# Altium PCB UHF-EM.PcbDoc
Units mm, origin at the board's own origin, x right, y up, seen from the top; angles counter-clockwise.
Board outline 82 x 93.41 mm, 4 copper layers (Top Layer, Inner 1 GND, Inner 2 GND, Bottom Layer), stack 1.516 mm thick; 102 components, 70 nets, 389 pads, 9 vias.
Unrouted connection lines stored in the file: 261.
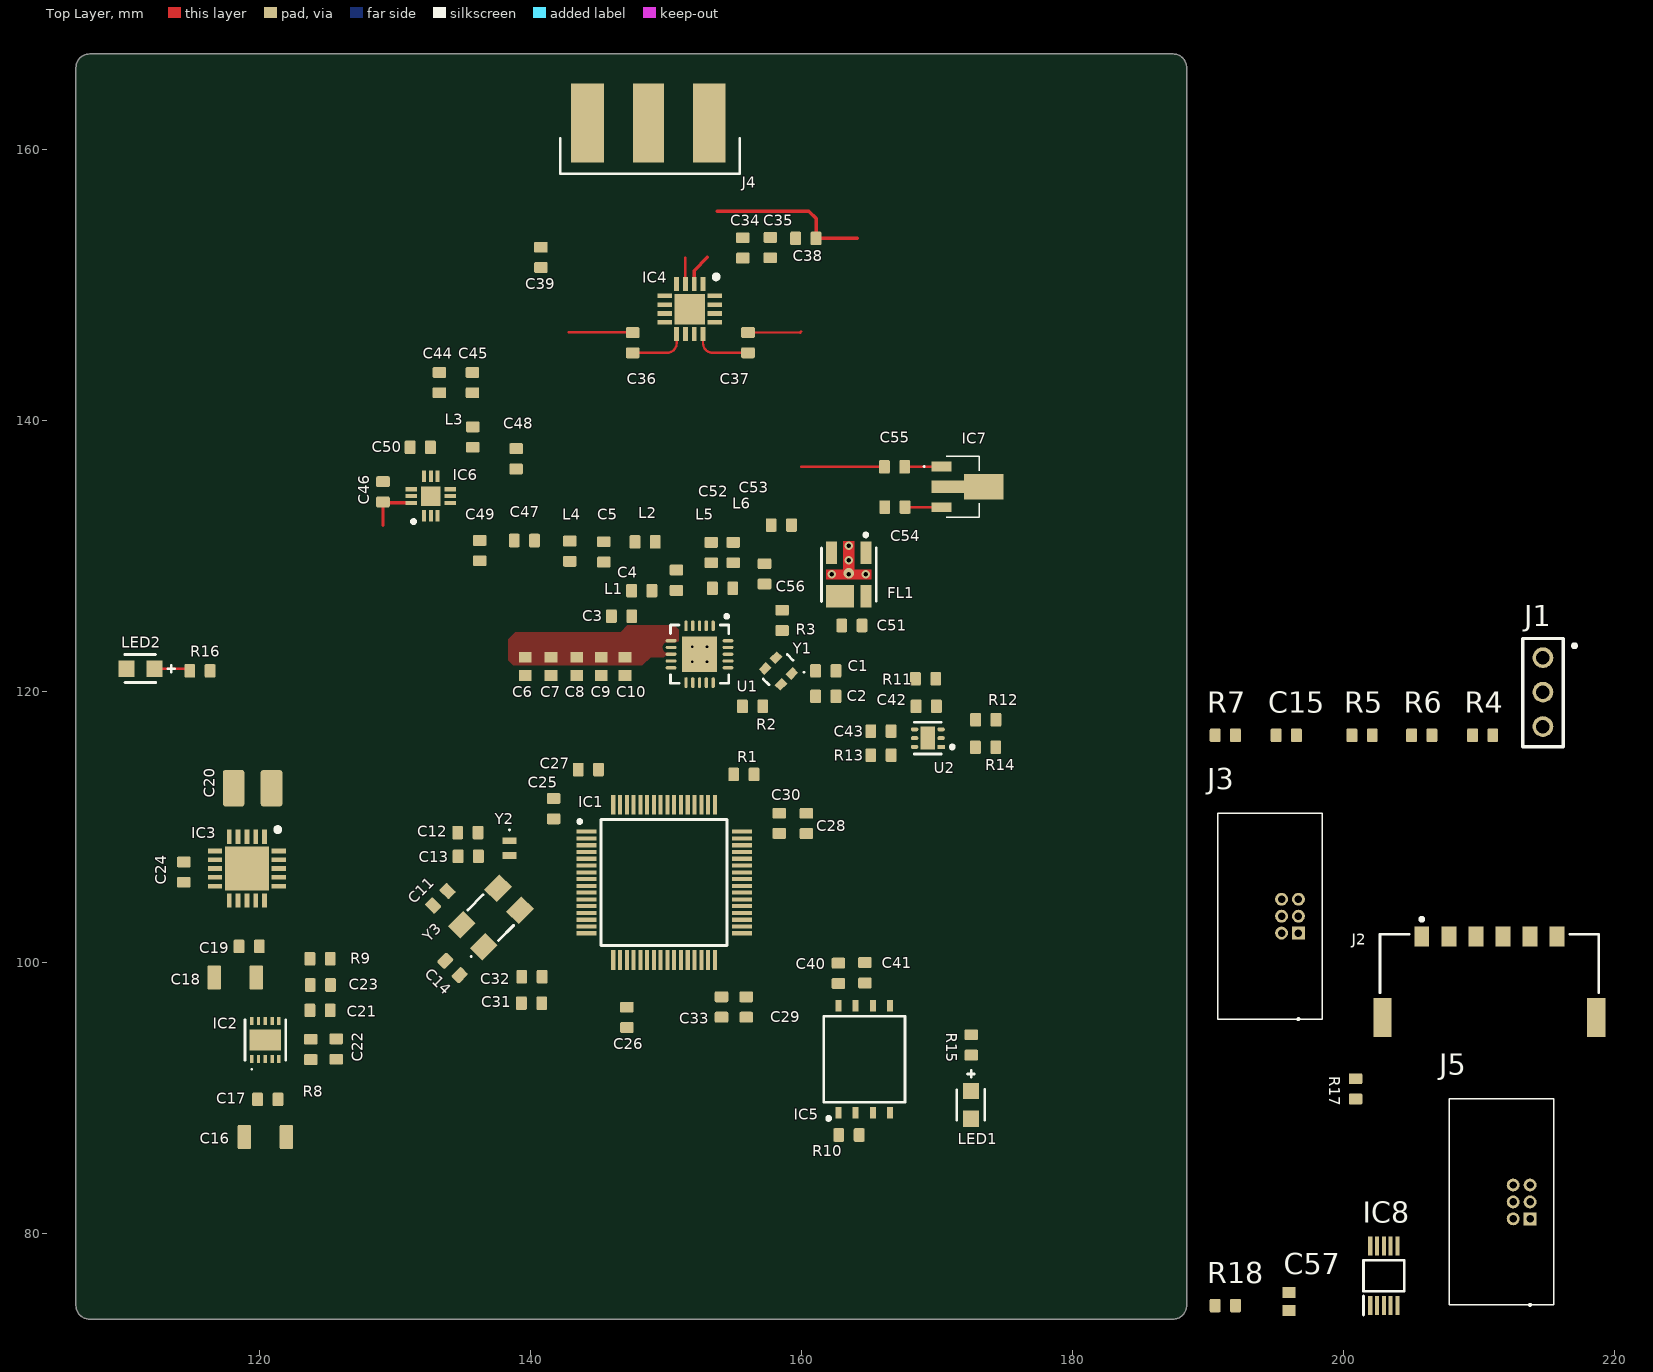
[diagram p0: Top Layer view]
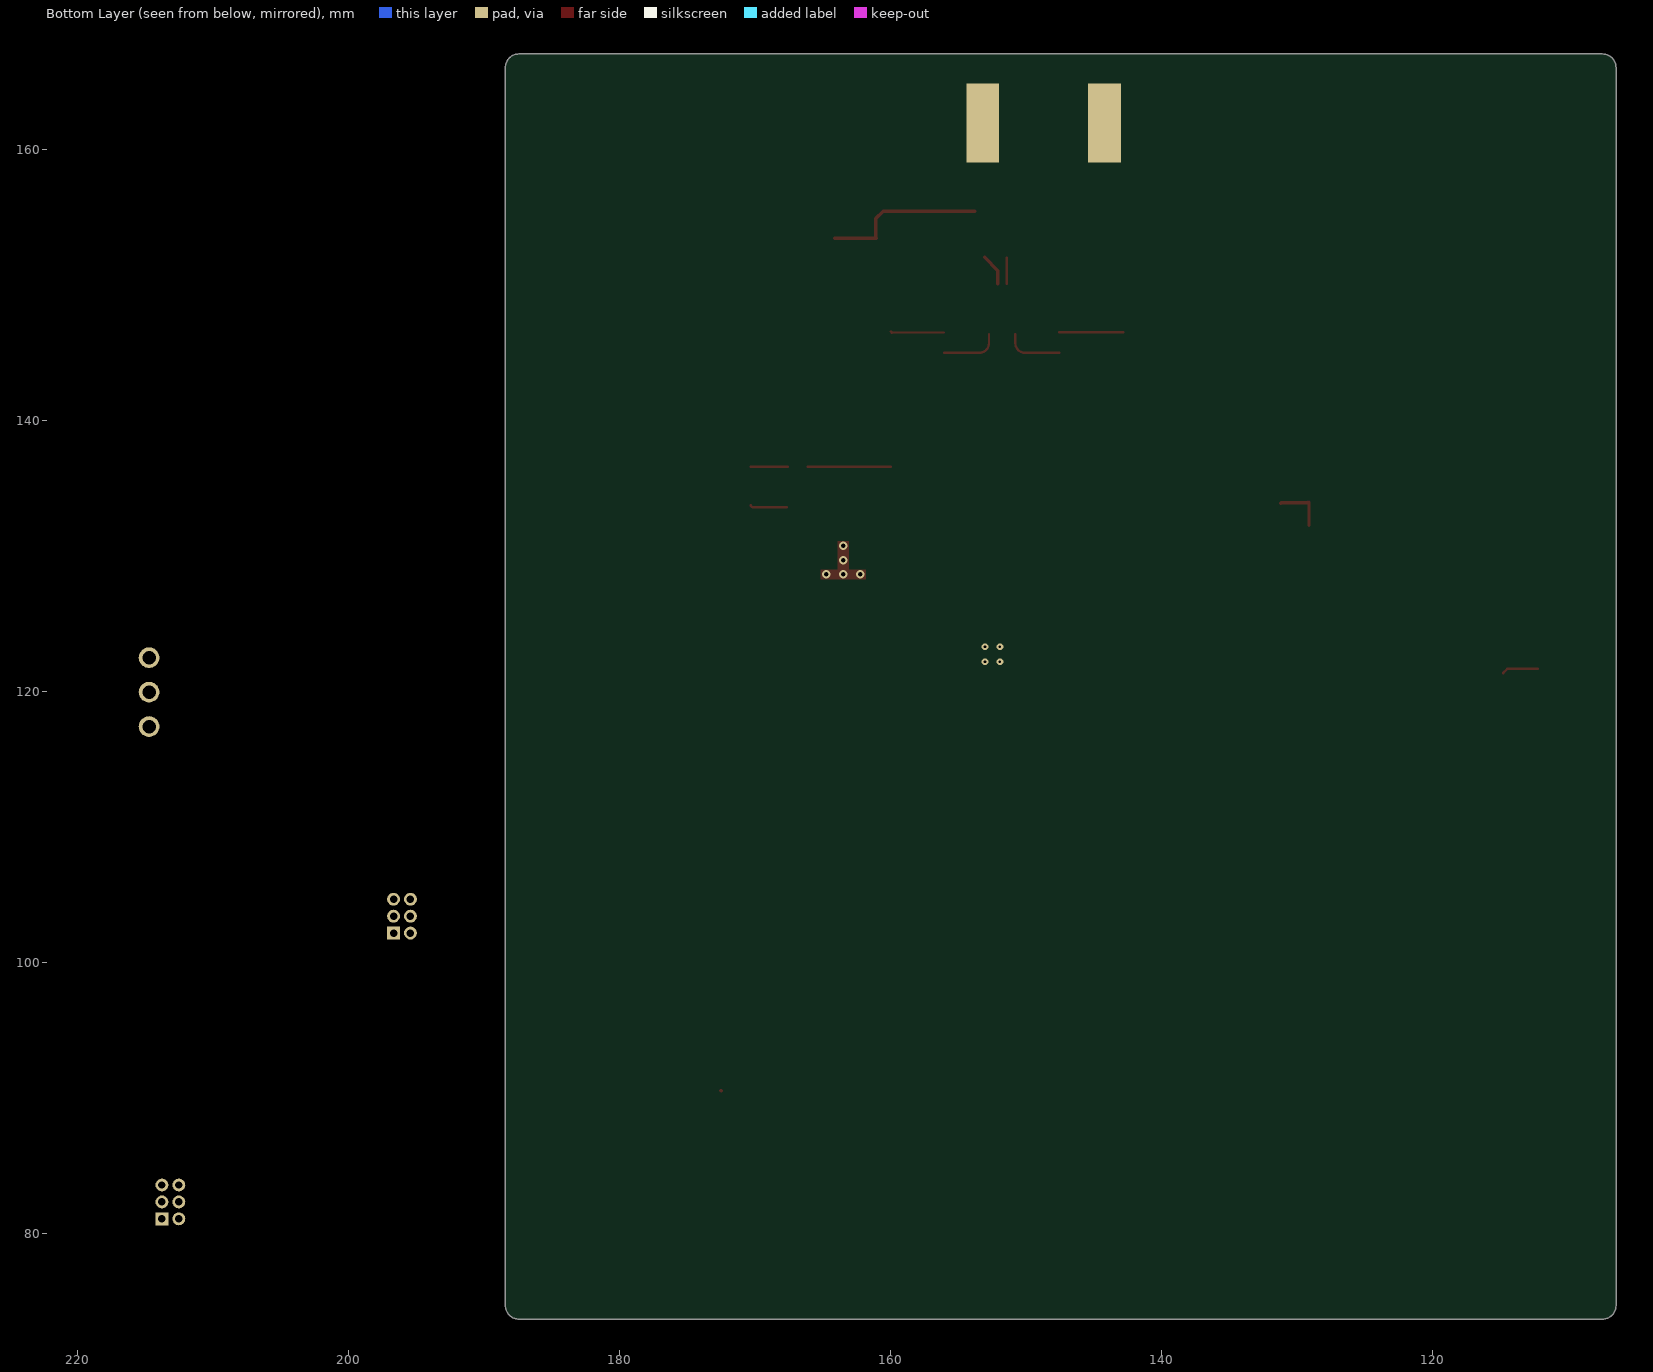
[diagram p1: Bottom Layer view, seen from below]

## Layer stack, top to bottom
Top Solder: solder mask 0.025, SM-001, Dk 4
Top Layer: signal copper 0.018
Dielectric 1: prepreg 0.105, PP-014, Dk 4.2
Inner 1 GND: signal copper 0.035
Dielectric 3: core 1.2, Core-043, Dk 4.3
Inner 2 GND: signal copper 0.035
Inner2: prepreg 0.105, PP-014, Dk 4.2
Bottom Layer: signal copper 0.018
Bottom Solder: solder mask 0.025, SM-001, Dk 4

## Board outline
106.442,74.677 106.442,166.087 cw(c107.442,166.087) 107.442,167.087 187.442,167.087 cw(c187.442,166.087) 188.442,166.087 188.442,74.677 cw(c187.442,74.677) 187.442,73.677 107.442,73.677 cw(c107.442,74.677)

## Design rules (kind name [scope] priority, off if disabled: settings)
BoardOutlineClearance [(InNet('GND') AND IsPolygon)] p1: gap=0.254 ignorepadtopadclearanceinfootprint=FALSE except(-2: Poly-OutlineEdge; 0: Arc-SplitContinuation Track-SplitContinuation SMDPad-SplitContinuation THPad-SplitContinuation Via-SplitContinuation Fill-SplitContinuation Poly-SplitContinuation Region-SplitContinuation Text-SplitContinuation)
Clearance [All] p1: gap=0.254 ignorepadtopadclearanceinfootprint=FALSE except(0.127: Arc-THPad Arc-Text Arc-Hole Track-THPad Track-Text Track-Hole SMDPad-THPad SMDPad-Hole THPad-THPad THPad-Hole Via-Hole Fill-Hole Poly-Hole Region-Hole Text-Hole; 0.15: Arc-SMDPad Track-SMDPad SMDPad-SMDPad; 0.2: Arc-Arc Arc-Track Track-Track; 0.35: Arc-Fill Arc-Poly Arc-Region Track-Fill Track-Poly Track-Region Fill-Fill Fill-Poly Fill-Region Poly-Poly Poly-Region Region-Region; 0.5: THPad-Fill THPad-Poly THPad-Region)
DiffPairsRouting [All] p1: maxlimit=0.254 minlimit=0.127 mostfreqgap=0.254 toplayer_maxgap=0.127 toplayer_prefgap=0.127 toplayer_minwidth=0.063 toplayer_maxwidth=0.063 toplayer_prefwidth=0.063 bottomlayer_maxgap=0.127 bottomlayer_prefgap=0.127 bottomlayer_minwidth=0.063 bottomlayer_maxwidth=0.063 bottomlayer_prefwidth=0.063 impedanceprofiledriven=TRUE impedanceprofileid={CD9959B0-2A19-4F35-A9A9-C84C94CFCFF1} impedanceprofilevalue=120.000000 maxuncoupledlength=12.7
HoleSize [All] p1: absolutevalues=TRUE maxlimit=3.5 minlimit=0.025 maxpercent=80.000 minpercent=20.000
MatchedLengths [InNetClass('FLASH')] p1: tolerance=25.4 checknetsindiffpair=FALSE checkdiffpairvsdiffpair=TRUE checkxsignals=TRUE checkothers=TRUE usedelayunits=TRUE delaytolerance=300.000000
MinimumSolderMaskSliver [All] p1: minsoldermaskwidth=0.05
PolygonConnect [All] p1: connectstyle=Direct reliefconductorwidth=0.254 reliefentries=4 polygonreliefangle="90 Angle" airgapwidth=0.254
RoutingVias [All] p1: holewidth=0.3 width=0.7 viastyle="Through Hole" minholewidth=0.3 minwidth=0.7 maxholewidth=0.3 maxwidth=0.7
SilkToSilkClearance [All] p1: silktosilkclearance=0.15
SilkToSolderMaskClearance [IsPad] p1: minsilkscreentomaskgap=0.15 clearancetoexposedcopper=TRUE
SolderMaskExpansion [All] p1: expansion=0.102 istentingtop=FALSE
SupplyNets "Schematic Supply Nets_3" [InNet('12v')] p1: voltage=0.000
SupplyNets "Schematic Supply Nets_2" [InNet('GND')] p2: voltage=0.000
SupplyNets "Schematic Supply Nets" [InNet('3v3')] p3: voltage=0.000
Width [InNetClass('rf')] p1: maxlimit=0.254 minlimit=0.17 preferedwidth=0.254 toplayer_maxwidth=0.18 toplayer_prefwidth=0.175 bottomlayer_maxwidth=0.18 bottomlayer_prefwidth=0.175 impedanceprofiledriven=TRUE impedanceprofileid={3CA1A178-146D-42E6-9647-FF60F5E1606A} impedanceprofilevalue=50.000000 minimp=50.000000 maximp=50.000000 favimp=50.000000
25 further rules are at their usual default settings.

## Classes and differential pairs
net class FLASH: FLASH_QSPI_IO0 FLASH_QSPI_IO1 FLASH_QSPI_IO2 FLASH_QSPI_IO3 FLASH_QSPI_SCK
net class rf: BiasOut LNAIN Lnaout PA_IN PA_IN_2 PAout RF1TX RF2RX RF_MATCH_C0 RF_Tx rfBIAS rfBIASXN RFRx_N RFRx_P Switch_RX Switch_TX
component class Peripherals: 332
net class N000-1_[0..3]: FLASH_QSPI_IO0 FLASH_QSPI_IO1 FLASH_QSPI_IO2 FLASH_QSPI_IO3 N000-1_4
component class power: 3
differential pair UHF_OUT: +UHF_OUT_P -UHF_OUT_N
differential pair UHF_IN: +UHF_IN_P -UHF_IN_N

## Components (designator, comment, footprint, x,y, rotation, side; value= is the part's Value field where it differs from the comment)
C1 "100nF +/-?% XR?" CAP_0603#1 161.798,121.539 r180 top
C2 "10nF +/-?% XR?" CAP_0603#1 161.798,119.659 r180 top
C3 "33pF +/-?% XR?" CAP_0603#1 146.722,125.578 r180 top
C4 "10pF +/-?% XR?" CAP_0603#2 150.774,128.233 r90 top
C5 "18pF +/-?% XR?" CAP_0603#3 145.415,130.327 r270 top
C6 "2u2f" CAPC1608X87N 139.603,121.881 r270 top
C7 "100nf" CAPC1608X87N 141.508,121.881 r270 top
C8 "100pf" CAPC1608X87N 143.413,121.881 r270 top
C9 "33pf" CAPC1608X87N 145.217,121.881 r270 top
C10 "100nf" CAPC1608X87N 146.969,121.881 r270 top
C11 "22pF" CAP_0603#1 133.343,104.75 r225 top
C12 "4pF" CAP_0603#1 135.375,109.603 r0 top
C13 "4pF" CAP_0603#1 135.4,107.85 r0 top
C14 "22pF" CAP_0603#1 134.237,99.606 r135 top
C15 "100nF" CAP_0603#1 195.8,116.782 r0 top
C16 "10uF" CAP_1206 120.422,87.122 r180 top
C17 "100nF" CAP_0603#1 120.6,89.9 r180 top
C18 "10uF" CAP_1206 118.2,98.9 r0 top
C19 "100nF" CAP_0603#1 119.228,101.194 r0 top
C20 "47uF" CAP_1210 119.479,112.878 r0 top
C21 "100nF" CAP_0603#1 124.46,96.469 r0 top
C22 "100nF" CAP_0603#1 125.654,93.622 r90 top
C23 "100nF" CAP_0603#1 124.485,98.349 r180 top
C24 "1uF" CAP_0603#1 114.402,106.68 r270 top
C25 "100nF" CAP_0603#1 141.705,111.364 r270 top
C26 "100nF" CAP_0603#1 147.117,95.961 r90 top
C27 "100nF" CAP_0603#1 144.275,114.25 r0 top
C28 "1uF" CAP_0603#1 160.375,110.275 r90 top
C29 "100nF" CAP_0603#1 155.928,96.724 r90 top
C30 "100nF" CAP_0603#1 158.367,110.285 r90 top
C31 "1uF" CAP_0603#1 140.081,97.003 r0 top
C32 "100nF" CAP_0603#1 140.106,98.958 r0 top
C33 "4.7uF" CAP_0603#1 154.103,96.724 r90 top
C34 "100nF +/-?% XR?" CAP_0603#1 155.677,152.769 r90 top
C35 "100pF +/-?% XR?" CAP_0603#1 157.709,152.794 r90 top
C36 "100pF +/-?% XR?" CAP_0603#2 147.548,145.77 r90 top
C37 "100pF +/-?% XR?" CAP_0603#2 156.058,145.771 r90 top
C38 "100pF +/-?% XR?" CAP_0603#1 160.325,153.467 r180 top
C39 "100pF +/-?% XR?" CAP_0603#1 140.767,152.07 r90 top
C40 "100nF" CAP_0603#1 162.738,99.212 r270 top
C41 "1uF" CAP_0603#1 164.694,99.251 r270 top
C42 "1uF" CAP_0603#1 169.215,118.923 r180 top
C43 "100nF" CAP_0603#1 165.874,117.094 r0 top
C44 "100nF +/-?% XR?" CAP_0603#1 133.274,142.824 r90 top
C45 "1nF +/-?% XR?" CAP_0603#1 135.712,142.824 r90 top
C46 "100nF +/-?% XR?" CAP_0603#1 129.108,134.76 r90 top
C47 "1nF +/-?% XR?" CAP_0603#2 139.548,131.166 r0 top
C48 "1nF +/-?% XR?" CAP_0603#2 138.938,137.199 r90 top
C49 "0.4pF +/-?% XR?" CAP_0603#4 136.246,130.417 r90 top
C50 "0.4pF +/-?% XR?" CAP_0603#4 131.863,138.049 r0 top
C51 "100nF +/-?% XR?" CAP_0603#1 163.728,124.892 r180 top
C52 "2.5pF +/-?% XR?" CAP_0603#2 153.34,130.277 r90 top
C53 "33pF +/-?% XR?" CAP_0603#2 158.521,132.309 r180 top
C54 "2.2nF +/-?% XR?" CAP_0603#2 166.903,133.629 r180 top
C55 "2.2nF +/-?% XR?" CAP_0603#2 166.878,136.601 r0 top
C56 "5.1pF +/-?% XR?" CAP_0603#4 157.277,128.702 r90 top
C57 "100nf" CAPC1608X87N 196,74.982 r90 top
FL1 "TCBT-123+" FP-GU1414-MFG 163.495,128.659 r180 top
IC1 "STM32U575RGT6TR" QFP50P1200X1200X160-64N 149.86,105.918 r0 top
IC2 "LS1205EVD33" LS1205EVD33 120.421,94.285 r0 top
IC3 "TPS7A4700RGWT" QFN65P500X500X100-21N-D 119.06,106.947 r270 top
IC4 "HMC8038LP4CETR" QFN65P400X400X90-17N-D 151.76,148.256 r270 top
IC5 "MT29F4G01ABAFDWB-IT_F" SON127P800X600X65-8N 164.643,92.875 r90 top
IC6 "PMA3-73-1W+" QFN51P300X300X89-13N 132.639,134.442 r90 top
IC7 "GALI-3+" GALI3 171.907,135.128 r270 top
IC8 "SN65HVD76DGSR" SOP50P490X110-10N 203,76.882 r90 top
J1 "Pin header 1x3" "HEADER 3" 213.5,116.182 r0 top
J2 "205338-0006" FP-2053380006-MFG 210.8,98.2 r180 top
J3 "G125-MH10605M4P" G125-MH10605M4P_1 196.7,102.182 r90 top
J4 "73251-1150" 73251-1150 148.7,162 r90 top
J5 "G125-MH10605M4P" G125-MH10605M4P_1 213.8,81.082 r90 top
L1 "270nH +/-?% ?DCR" IND_0603#1 148.209,127.457 r0 top
L2 "36nH +/-?% ?DCR" IND_0603#2 148.463,131.064 r180 top
L3 "20nH +/-?% ?DCR" IND_0603#3 135.738,138.799 r90 top
L4 "25nH +/-?% ?DCR" IND_0603#1 142.9,130.378 r90 top
L5 "72nH +/-?% ?DCR" IND_0603#2 154.178,127.635 r0 top
L6 "62nH +/-?% ?DCR" IND_0603#2 154.965,130.277 r90 top
LED1 "SMD 0805" FP-SM0805YCL-MFG 172.52,89.505 r270 top
LED2 "SMD 0805" FP-SM0805YCL-MFG 111.2,121.7 r180 top
R1 "10k +/-?% ?ppm" RES_0603 155.753,113.894 r180 top
R2 "10k +/-?% ?ppm" RES_0603 156.4,118.923 r180 top
R3 "10k +/-?% ?ppm" RES_0603 158.572,125.273 r270 top
R4 "10k" RES_0603 210.3,116.782 r0 top
R5 "10k" RES_0603 201.4,116.782 r0 top
R6 "10k" RES_0603 205.8,116.782 r0 top
R7 "10k" RES_0603 191.3,116.782 r0 top
R8 "3.48k" RES_0603 123.775,93.597 r90 top
R9 "10k" RES_0603 124.46,100.279 r180 top
R10 "10k" RES_0603 163.513,87.274 r0 top
R11 "500" RES_0603 169.164,120.955 r0 top
R12 "5k" RES_0603 173.609,117.932 r0 top
R13 "5k" RES_0603 165.874,115.316 r180 top
R14 "5k" RES_0603 173.596,115.9 r0 top
R15 "500" RES_0603 172.546,93.925 r90 top
R16 "500" RES_0603 115.595,121.541 r0 top
R17 "120 1%" RES_0603 200.914,90.678 r90 top
R18 "120 1%" RES_0603 191.3,74.682 r0 top
U1 "Si4464-B1B-FMR" SLAB-QFN-20-2600x2600TP_M 152.481,122.77 r270 top
U2 "" FP-DRV0006A-IPC_C 169.332,116.573 r180 top
Y1 "TG2016SMN_25.0000M-MCGNNM3" TG2016SMN250000MMCGNNM3 158.312,121.531 r135 top
Y2 "ABS05W-32.768KHZ-D-2-T" ABS05W32768KHZD2T 138.45,108.45 r270 top
Y3 "ABM3BAIG-16.000MHZ-12-3-T" ABM3BAIG 137.068,103.325 r45 top

## Footprints (in the part's own frame and the unit in brackets; to place one, negate y for a bottom-side part, rotate by r counter-clockwise, add the part's x,y. Pads: shape width x height; smd on the part's side, far side on the other; paste and mask are expansions set on the pad)
73251-1150 [mm]
  rect 5.84x2.29 smd mask+0.102: 1(0,0)
  rect 5.84x2.42 smd: 2(0,4.5) 2(0,-4.5)
  rect 5.84x2.42 smd far side: 2(0,4.5) 2(0,-4.5)
  silkscreen extent -3.75,-6.75 -1.14,6.5, body extent -1.14,-4.75 13.14,4.77, height 4.36
ABM3BAIG [mm]
  rect 1.6x1.3 smd: 1(-1.9,-1.15) 2(1.9,-1.15) 3(1.9,1.15) 4(-1.9,1.15)
  silkscreen extent -3.1,-1.6 0.8,1.6, body extent -2.5,-1.73 2.5,1.47, height 0.9
ABS05W32768KHZD2T [mm]
  rect 0.5x1 smd: 1(-0.55,0) 2(0.55,0)
  silkscreen extent -1.4,-0.05 -1.3,0.05, body extent -0.8,-0.5 0.8,0.5, height 0.48
CAP_0603#1 [mm]
  rrect25% 0.8x1 smd: 1(-0.75,0) 2(0.75,0)
  body extent -0.8,-0.4 0.8,0.4, height 0.51
CAP_0603#2 [mm]
  rrect25% 0.8x1 smd mask+0.102: 1(-0.75,0) 2(0.75,0)
  body extent -0.8,-0.4 0.8,0.4, height 0.51
CAP_0603#3 [mm]
  rrect25% 0.8x1 smd mask+0.102: 1(-0.75,0)
  rrect25% 0.8x1 smd: 2(0.75,0)
  body extent -0.8,-0.4 0.8,0.4, height 0.51
CAP_0603#4 [mm]
  rrect25% 0.8x1 smd: 1(-0.75,0)
  rrect25% 0.8x1 smd mask+0.102: 2(0.75,0)
  body extent -0.8,-0.4 0.8,0.4, height 0.51
CAP_1206 [mm]
  rrect25% 1x1.8 smd: 1(-1.55,0) 2(1.55,0)
  body extent -1.6,-0.8 1.6,0.8, height 0.94
CAP_1210 [mm]
  rrect25% 1.6x2.7 smd: 1(-1.4,0) 2(1.4,0)
  body extent -1.6,-1.25 1.6,1.25, height 2.5
CAPC1608X87N [mm]
  rect 0.8x0.94 smd: 1(-0.67,0) 2(0.67,0)
  body extent -0.8,-0.4 0.8,0.4, height 0.87
FP-2053380006-MFG [mm]
  rect 1.1x1.45 smd paste+0 mask+0: 1(5,-3.725) 2(3,-3.725) 3(1,-3.725) 4(-1,-3.725) 5(-3,-3.725) 6(-5,-3.725)
  rect 1.35x2.9 smd paste+0 mask+0: 7(-7.895,2.25) 8(7.895,2.25)
  silkscreen extent -8.07,-5.12 8.08,0.42, body extent -8.67,-4.55 8.67,4, height 0.25
FP-DRV0006A-IPC_C [mm]
  rect 0.556x0.292 smd paste+0 mask+0: 1(-0.978,0.65)
  rrect100% 0.556x0.292 smd paste+0 mask+0: 2(-0.978,0) 3(-0.978,-0.65) 4(0.978,-0.65) 5(0.978,0) 6(0.978,0.65)
  rect 1.1x1.7 smd paste-1000 mask+0: 7(0,0)
  silkscreen extent -1.93,-1.17 1,1.18, body extent -1.36,-1.1 1.36,1.1, height 0.25
FP-GU1414-MFG [mm]
  rect 0.79x1.68 smd paste+0 mask+0.102: 1(-1.27,-1.61) 2(1.27,-1.61)
  rect 2.06x1.68 smd paste+0 mask+0: 3(0.635,1.61)
  rect 0.79x1.68 smd paste+0 mask+0: 4(-1.27,1.61)
  round 0.786 smd paste+0 mask+0: 5(-0.005,-0.094)
  Top Layer region: -1.664,-0.343 -1.664,0.343 1.664,0.343 1.664,-0.343 0.394,-0.343 0.394,-2.451 -0.394,-2.451 -0.394,-0.343
  silkscreen extent -2.04,-3.04 2.01,1.99, body extent -2.07,-2.55 2.07,2.55, height 0.25
FP-SM0805YCL-MFG [mil]
  rect 47x47 smd paste+0 mask+0: 1(-40.5,0) 2(40.5,0)
  silkscreen extent -100,-41 45,40, body extent -68,-33 68,33, height 10
G125-MH10605M4P_1 [mm]
  rect 0.95x0.95 hole 0.55: 1(0,0)
  round 0.95 hole 0.55: 2(1.25,0) 3(2.5,0) 4(0,1.25) 5(1.25,1.25) 6(2.5,1.25)
  round 1.1 hole 2.2 unplated: 7(-3.9,-0.2) 8(6.4,-0.2)
  silkscreen extent -6.4,-1.75 8.85,5.95, body extent -6.35,-1.75 8.85,5.95, height 5.17
GALI3 [mil]
  rect 27.99x59.02 smd mask+4: 1(-59.02,-61.5) 3(59.02,-61.5)
  rect 35.98x95 smd: 2(0,-43.5)
  rect 75x115 smd: 4(0,61.5)
  silkscreen extent -89,-114 89,48, body extent -91,-70 91,97, height 65
"HEADER 3" [mil]
  round 60 hole 39.37: 1(49.21,249.21) 2(49.21,149.21) 3(49.21,49.21)
  silkscreen extent -10,-10 146,305, body extent 0,0 98,298, height 217
IND_0603#1 [mm]
  rrect25% 0.8x1 smd: 1(-0.75,0)
  rrect25% 0.8x1 smd mask+0.102: 2(0.75,0)
  body extent -0.81,-0.37 0.81,0.37, height 0.87
IND_0603#2 [mm]
  rrect25% 0.8x1 smd mask+0.102: 1(-0.75,0) 2(0.75,0)
  body extent -0.81,-0.37 0.81,0.37, height 0.87
IND_0603#3 [mm]
  rrect25% 0.8x1 smd mask+0.102: 1(-0.75,0)
  rrect25% 0.8x1 smd: 2(0.75,0)
  body extent -0.81,-0.37 0.81,0.37, height 0.87
LS1205EVD33 [mm]
  rect 0.25x0.6 smd: 1(-1,-1.4) 2(-0.5,-1.4) 3(0,-1.4) 4(0.5,-1.4) 5(1,-1.4) 6(1,1.4) 7(0.5,1.4) 8(0,1.4) 9(-0.5,1.4) 10(-1,1.4)
  rect 2.35x1.55 smd: 11(0,0)
  silkscreen extent -1.5,-2.2 1.5,1.5, body extent -1.5,-1.5 1.5,1.5, height 0.75
QFN51P300X300X89-13N [mm]
  rect 0.85x0.3 smd: 1(-1.45,0.51) 3(-1.45,-0.51) 7(1.45,-0.51) 9(1.45,0.51)
  rect 0.85x0.3 smd mask+0.102: 2(-1.45,0) 8(1.45,0)
  rect 0.3x0.85 smd: 4(-0.51,-1.45) 5(0,-1.45) 6(0.51,-1.45) 10(0.51,1.45) 11(0,1.45) 12(-0.51,1.45)
  rect 1.45x1.45 smd: 13(0,0)
  silkscreen extent -2,1.15 -1.75,1.4, body extent -1.55,-1.55 1.55,1.55, height 0.89
QFN65P400X400X90-17N-D [mm]
  rect 1.05x0.35 smd: 1(-1.85,0.975) 2(-1.85,0.325) 4(-1.85,-0.975) 10(1.85,-0.325) 11(1.85,0.325)
  rect 1.05x0.35 smd mask+0.102: 3(-1.85,-0.325) 9(1.85,-0.975) 12(1.85,0.975)
  rect 0.35x1.05 smd: 5(-0.975,-1.85) 6(-0.325,-1.85) 7(0.325,-1.85) 8(0.975,-1.85) 13(0.975,1.85) 14(0.325,1.85) 15(-0.325,1.85) 16(-0.975,1.85)
  rect 2.25x2.25 smd: 17(0,0)
  silkscreen extent -2.54,1.79 -2.21,2.11, body extent -2.05,-2.05 2.05,2.05, height 0.9
QFN65P500X500X100-21N-D [mm]
  rect 1.05x0.35 smd: 1(-2.35,1.3) 2(-2.35,0.65) 3(-2.35,0) 4(-2.35,-0.65) 5(-2.35,-1.3) 11(2.35,-1.3) 12(2.35,-0.65) 13(2.35,0) 14(2.35,0.65) 15(2.35,1.3)
  rect 0.35x1.05 smd: 6(-1.3,-2.35) 7(-0.65,-2.35) 8(0,-2.35) 9(0.65,-2.35) 10(1.3,-2.35) 16(1.3,2.35) 17(0.65,2.35) 18(0,2.35) 19(-0.65,2.35) 20(-1.3,2.35)
  rect 3.25x3.25 smd: 21(0,0)
  silkscreen extent -3.04,2.11 -2.71,2.44, body extent -2.5,-2.5 2.5,2.5, height 1
QFP50P1200X1200X160-64N [mm]
  rect 1.475x0.3 smd: 1(-5.738,3.75) 2(-5.738,3.25) 3(-5.738,2.75) 4(-5.738,2.25) 5(-5.738,1.75) 6(-5.738,1.25) 7(-5.738,0.75) 8(-5.738,0.25) 9(-5.738,-0.25) 10(-5.738,-0.75) 11(-5.738,-1.25) 12(-5.738,-1.75) 13(-5.738,-2.25) 14(-5.738,-2.75) 15(-5.738,-3.25) 16(-5.738,-3.75) 33(5.738,-3.75) 34(5.738,-3.25) 35(5.738,-2.75) 36(5.738,-2.25) 37(5.738,-1.75) 38(5.738,-1.25) 39(5.738,-0.75) 40(5.738,-0.25) 41(5.738,0.25) 42(5.738,0.75) 43(5.738,1.25) 44(5.738,1.75) 45(5.738,2.25) 46(5.738,2.75) 47(5.738,3.25) 48(5.738,3.75)
  rect 0.3x1.475 smd: 17(-3.75,-5.738) 18(-3.25,-5.738) 19(-2.75,-5.738) 20(-2.25,-5.738) 21(-1.75,-5.738) 22(-1.25,-5.738) 23(-0.75,-5.738) 24(-0.25,-5.738) 25(0.25,-5.738) 26(0.75,-5.738) 27(1.25,-5.738) 28(1.75,-5.738) 29(2.25,-5.738) 30(2.75,-5.738) 31(3.25,-5.738) 32(3.75,-5.738) 49(3.75,5.738) 50(3.25,5.738) 51(2.75,5.738) 52(2.25,5.738) 53(1.75,5.738) 54(1.25,5.738) 55(0.75,5.738) 56(0.25,5.738) 57(-0.25,5.738) 58(-0.75,5.738) 59(-1.25,5.738) 60(-1.75,5.738) 61(-2.25,5.738) 62(-2.75,5.738) 63(-3.25,5.738) 64(-3.75,5.738)
  silkscreen extent -6.35,-4.65 4.65,4.65, body extent -6,-6 6,6, height 1.6
RES_0603 [mm]
  rrect25% 0.8x1 smd: 1(-0.75,0) 2(0.75,0)
  body extent -0.8,-0.4 0.8,0.4, height 0.45
SLAB-QFN-20-2600x2600TP_M [mm] "QFN, 20-Leads, Body 4x4mm, Pitch 0.5mm, Thermal Pad 2.6x2.6mm, IPC Low Density"
  oval 0.8x0.25 smd: 1(-2.1,1) 5(-2.1,-1) 11(2.1,-1) 12(2.1,-0.5) 13(2.1,0) 14(2.1,0.5) 15(2.1,1)
  oval 0.8x0.25 smd mask+0.102: 2(-2.1,0.5) 3(-2.1,0) 4(-2.1,-0.5)
  oval 0.25x0.8 smd: 6(-1,-2.1) 7(-0.5,-2.1) 8(0,-2.1) 9(0.5,-2.1) 10(1,-2.1) 16(1,2.1) 17(0.5,2.1) 18(0,2.1) 19(-0.5,2.1) 20(-1,2.1)
  rect 2.6x2.6 smd: 21(0,0)
  silkscreen extent -2.92,-2.15 2.15,2.15, body extent -2,-2 2,2, height 0.9
SON127P800X600X65-8N [mm]
  rect 0.85x0.45 smd: 1(-3.95,1.905) 2(-3.95,0.635) 3(-3.95,-0.635) 4(-3.95,-1.905) 5(3.95,-1.905) 6(3.95,-0.635) 7(3.95,0.635) 8(3.95,1.905)
  silkscreen extent -4.5,-3 3.18,3, body extent -4,-3 4,3, height 0.65
SOP50P490X110-10N [mm]
  rect 1.4x0.3 smd: 1(-2.2,1) 2(-2.2,0.5) 3(-2.2,0) 4(-2.2,-0.5) 5(-2.2,-1) 6(2.2,-1) 7(2.2,-0.5) 8(2.2,0) 9(2.2,0.5) 10(2.2,1)
  silkscreen extent -2.9,-1.5 1.15,1.5, body extent -2.46,-1.5 2.46,1.5, height 1.1
TG2016SMN250000MMCGNNM3 [mm]
  rect 0.6x0.75 smd: 1(-0.825,-0.565) 2(0.825,-0.565) 3(0.825,0.565) 4(-0.825,0.565)
  silkscreen extent -1.45,-1.32 0.4,1.22, body extent -1.06,-0.88 1.06,0.88, height 0.83

## Part data
C1 C2 C3 C4 C5 C11 C12 C13 C14 C15 C17 C19 C21 C22 C23 C24 C25 C26 C27 C28 C29 C30 C31 C32 C33 C34 C35 C36 C37 C38 C39 C40 C41 C42 C43 C44 C45 C46 C47 C48 C49 C50 C51 C52 C53 C54 C55 C56: library part Capacitor-SMD-0603, "Capacitor SMD 0603 RATED"
C6 C7 C8 C9 C10 C57: library part 0603N470J500CT, "Capacitor", Manufacturer_Name="Walsin Technology Corporation", Mouser Part Number=791-0603N470J500CT, Manufacturer_Part_Number=0603N470J500CT, Height=0.87mm, Datasheet Link=https://datasheet.datasheetarchive.com/originals/distributors/DKDS41/DSANUWW0027552.pdf, Mouser Price/Stock=https://www.mouser.co.uk/ProductDetail/Walsin/0603N470J500CT?qs=ZrPdAQfJ6DOWJe9N0xQVbw%3D%3D
C16 C18: library part Capacitor-SMD-1206, "Capacitor SMD 1206 RATED"
C20: library part Capacitor-SMD-1210, "Capacitor SMD 1210 RATED"
FL1: library part CMP-01968-107855816-1, "TCBT-123+ OEMs, CMs ONLY (NO BROKERS)", Max Operating Temperature=85°C, Min Operating Temperature=-40°C, Height=3.81mm, NexarPartId=107855816
IC1: "Integrated Circuit", Manufacturer_Name=STMicroelectronics, Mouser Part Number=511-STM32U575RGT6TR, Manufacturer_Part_Number=STM32U575RGT6TR, Height=1.6mm, Datasheet Link=https://www.st.com/resource/en/datasheet/stm32u575ag.pdf, Mouser Price/Stock=https://www.mouser.co.uk/ProductDetail/STMicroelectronics/STM32U575RGT6TR?qs=T%252BzbugeAwjjwoz%252BinJLUwQ%3D%3D, Arrow Part Number=STM32U575RGT6TR, Arrow Price/Stock=https://www.arrow.com/en/products/stm32u575rgt6tr/stmicroelectronics?utm_currency=USD&region=nac
IC2: "Integrated Circuit", Manufacturer_Name=LITTELFUSE, Mouser Part Number=576-LS1205EVD33, Height=0.8mm, Manufacturer_Part_Number=LS1205EVD33, Datasheet Link=https://www.littelfuse.com/media?resourcetype=datasheets&itemid=b40a8809-c1ad-459d-a34c-84532dbddcb7&filename=littelfuse-protection-ic-ls1205exd33--datasheet, Mouser Price/Stock=https://www.mouser.co.uk/ProductDetail/Littelfuse/LS1205EVD33?qs=4ASt3YYao0VRtislHe5uQQ%3D%3D, Arrow Part Number=LS1205EVD33, Arrow Price/Stock=https://www.arrow.com/en/products/ls1205evd33/littelfuse?utm_currency=USD&region=nac
IC3: library part TPS7A4700RGWR, "Integrated Circuit", Manufacturer_Name="Texas Instruments", Mouser Part Number=595-TPS7A4700RGWR, Manufacturer_Part_Number=TPS7A4700RGWR, Height=1mm, Datasheet Link=http://www.ti.com/lit/gpn/tps7a47, Mouser Price/Stock=https://www.mouser.co.uk/ProductDetail/Texas-Instruments/TPS7A4700RGWR?qs=b5Ofe9I6AaEq0TfoG6v9lA%3D%3D, Arrow Part Number=TPS7A4700RGWR, Arrow Price/Stock=https://www.arrow.com/en/products/tps7a4700rgwr/texas-instruments?region=nac
IC4: "Integrated Circuit", Manufacturer_Name="Analog Devices", Mouser Part Number=584-HMC8038LP4CETR, Manufacturer_Part_Number=HMC8038LP4CETR, Height=0.9mm, Datasheet Link=https://pt.mouser.com/datasheet/2/609/HMC8038W-2956082.pdf, Mouser Price/Stock=https://www.mouser.co.uk/ProductDetail/Analog-Devices/HMC8038LP4CETR?qs=JeIcUl65ClBZnat%2FltI6ww%3D%3D, Arrow Part Number=HMC8038LP4CETR, Arrow Price/Stock=https://www.arrow.com/en/products/hmc8038lp4cetr/analog-devices?region=nac
IC5: "Integrated Circuit", Manufacturer_Part_Number=MT29F4G01ABAFDWB-IT:F, Manufacturer_Name=Micron, Mouser Part Number=340-359563, Height=0.65mm, Datasheet Link=https://www.farnell.com/datasheets/3151403.pdf, Mouser Price/Stock=https://www.mouser.co.uk/ProductDetail/Micron/MT29F4G01ABAFDWB-ITF?qs=wUXugUrL1qwrjb7To7JPbA%3D%3D, Arrow Part Number=MT29F4G01ABAFDWB-IT:F, Arrow Price/Stock=null?region=nac
IC6: "Integrated Circuit", Manufacturer_Name=Mini-Circuits, Height=0.89mm, Manufacturer_Part_Number=PMA3-73-1W+, Datasheet Link=https://www.minicircuits.com/WebStore/dashboard.html?model=PMA3-73-1W%2B
IC7: "Integrated Circuit", Manufacturer_Name=Mini-Circuits, Mouser Part Number=139-GALI-3, Manufacturer_Part_Number=GALI-3+, Height=1.6mm, Datasheet Link=https://www.mouser.com/datasheet/2/1030/GALI-3_2b-1700470.pdf, Mouser Price/Stock=https://www.mouser.co.uk/ProductDetail/Mini-Circuits/GALI-3%2b?qs=xZ%2FP%252Ba9zWqaN9gt7VIItFw%3D%3D
IC8: "RS485 Full Duplex Transciever", Manufacturer_Name="Texas Instruments", Mouser Part Number=595-SN65HVD76DGSR, Arrow Part Number=SN65HVD76DGSR, Arrow Price/Stock=https://www.arrow.com/en/products/sn65hvd76dgsr/texas-instruments?region=nac, Datasheet Link=http://www.ti.com/lit/gpn/sn65hvd76, Height=1.1mm, Manufacturer_Part_Number=SN65HVD76DGSR, Mouser Price/Stock=https://www.mouser.co.uk/ProductDetail/Texas-Instruments/SN65HVD76DGSR?qs=7z%252BmIopC6%2FI%252B8LLIzcebYw%3D%3D
J2: library part CMP-00257-108204701-1, "205338-0006 Connector Shrouded Header Positive Lock 6 Position 2mm Pitch Right Angle Surface Mount T/R", Manufacturer Lifecycle Status=ACTIVE, Number of Rows=1, Orientation="Right Angle", Number of Circuits=6, NexarPartId=108204701, Lifecycle Status=Production, Schedule B=8536694040, Country of Origin=MY, Contact Plating=Gold, RoHS=Compliant, Gender=Male
J3 J5: "Connector", Manufacturer_Name=Harwin, Mouser Part Number=855-G125MH1065M4PM4P, Datasheet Link=https://content.harwin.com/m/667f1be9427fb768/original/DRG-02921-Technical-Drawing-Datasheet-G125-MH1XX05M4P-pdf.pdf, Height=5.3mm, Manufacturer_Part_Number=G125-MH10605M4P, Mouser Price/Stock=https://www.mouser.co.uk/ProductDetail/Harwin/G125-MH10605M4P?qs=vHuUswq2%252BswF07IXFR1W6A%3D%3D
J4: "RF Connector 50 Ohms, SMA Jack Receptacle, Edge Mount, .25µm Gold (Au) Plating", Manufacturer=Molex, Manufacturer Part Number=73251-1150
L1 L2 L3 L4 L5 L6: library part Inductor-SMD-RF-0603, "Inductor SMD 0603"
LED1 LED2: library part CMP-35283-000007-1, "LED YELLOW CLEAR 0805 SMD", Lens Color=Colorless, Min Operating Temperature=-30°C, Max Operating Temperature=80°C, Illumination Color=Yellow, Forward Current=2mA, Case/Package=0805, Case Code (Metric)=2012, Package Quantity=4000, Forward Voltage=1.9V, Lead Free="Lead Free", Length=2mm, Lens Transparency=Clear, Mount="Surface Mount", Luminous Intensity=11.5mcd, Height=0.8mm, Width=1.2mm, Dominant Wavelength=592nm, Color=Yellow, Case Code (Imperial)=0805, Viewing Angle=130°, Test Current=2mA, Packaging="Tape and Reel"
R1 R2 R3 R4 R5 R6 R7 R8 R9 R10 R11 R12 R13 R14 R15 R16 R17 R18: library part Resistor-SMD-0603, "Resistor SMD 0603 RATED"
U1: library part CMP-0520-00036-1, "High-Performance, Low-Current Transceiver, 119 to 960 MHz, -20 to 20 dBm Output Power, -40 to 85 degC, 20-pin QFN, Tape and Reel", Output Power Range="-20 to 20 dBm", Manufacturer="Silicon Labs", Frequency Range="119 to 960 MHz", RX Current="10.6/13.6 mA", FSK/GFSK="500 kbps", PartNumber=Si4464-B1B-FMR, PackageReference=QFN-20, PackageDescription="20-Pin Quad-Flat No-Leads Package, Body 4 x 4 mm, Pitch 0.5 mm", OOK="120 kbps", Mounting Technology="Surface Mount", Packing="Tape and Reel", Sub-Family=EZRadioPRO, ComponentLink3URL=http://www.silabs.com/Support%20Documents/TechnicalDocs/Si4464-63-61-60.pdf, ComponentLink3Description="Package Specification", ComponentLink2URL="http://www.silabs.com/Support Documents/TechnicalDocs/Si4464-63-61-60.pdf", ComponentLink2Description=Datasheet, ComponentLink1URL=http://www.silabs.com/, ComponentLink1Description="Manufacturer URL", Code_JEDEC=MO-220, Code_IPC=J-STD-020C, DatasheetVersion="Rev. 1.2"
U2: library part CMP-04948-000045-1, "SENSOR DIGITAL -55C-125C 6WSON", Min Operating Temperature=-55°C, Max Operating Temperature=150°C, Output Type=I2C, Packaging="Tape and Reel", Mount="Surface Mount", RoHS Compliant=Yes, Interface=I2C, Resolution=16b
Y1: "Crystal or Oscillator", Arrow Part Number="TG2016SMN 25.0000M-MCGNNM3", Manufacturer_Name="Epson Timing", Mouser Part Number=732-TG216S25MCGNNM3, Arrow Price/Stock=https://www.arrow.com/en/products/tg2016smn-25.0000m-mcgnnm3/epson-electronics-america?region=nac, Datasheet Link=https://support.epson.biz/td/api/doc_check.php?dl=app_TG2016SMN&lang=en, Height=0.73mm, Manufacturer_Part_Number="TG2016SMN 25.0000M-MCGNNM3", Mouser Price/Stock=https://www.mouser.co.uk/ProductDetail/Epson-Timing/TG2016SMN-25.0000M-MCGNNM3?qs=d0WKAl%252BL4Ka73EeK48LHvA%3D%3D
Y2: "Crystal or Oscillator", Manufacturer_Name=ABRACON, Mouser Part Number=815-ABS05W32.768KD2T, Height=0.5mm, Manufacturer_Part_Number=ABS05W-32.768KHZ-D-2-T, Datasheet Link=https://abracon.com/Resonators/ABS05W.pdf, Mouser Price/Stock=https://www.mouser.co.uk/ProductDetail/ABRACON/ABS05W-32.768KHZ-D-2-T?qs=r5DSvlrkXmJ0aADBg3hvfA%3D%3D, Arrow Part Number=ABS05W-32.768KHZ-D-2-T, Arrow Price/Stock=https://www.arrow.com/en/products/abs05w-32.768khz-d-2-t/abracon?utm_currency=USD&region=nac
Y3: "Crystal or Oscillator", Manufacturer_Name=ABRACON, Manufacturer_Part_Number=ABM3BAIG-16.000MHZ-12-3-T, Height=0.9mm, Datasheet Link=https://abracon.com/AIGcrystals/ABM3BAIG.pdf

## Via types
v1: diameter 0.63, hole 0.33, Top Layer to Bottom Layer, tented both sides, 5 vias
v2: diameter 0.5, hole 0.2, Top Layer to Bottom Layer, tented both sides, 4 vias

## Nets (pads, with @x,y where several pads share a name; then routed paths per layer and width w, separated by ;. In a path a pad name is that pad's centre, name@x,y a point inside that pad or via, vN(x,y) a via of type N, cw(c..) or ccw(c..) an arc to the next point about the centre after c; other vN are vias at no path point)
3v3: C1.2 C2.2 C3.1 C6.1 C7.1 C8.1 C9.1 C10.1 C20.2 C25.2 C26.2 C27.2 C28.2 C29.2 C30.2 C31.2 C32.2 C34.1 C35.1 C40.2 C41.2 C51.2 C57.1 FL1.3 IC1.1 IC1.13 IC1.19 IC1.32 IC1.48 IC1.64 IC3.1 IC3.3 IC3.20 IC4.1 IC5.8 IC8.10 J1.1 J2.1 L1.1 R1.1 R2.1 R5.1 R6.2 R10.2 R11.2 R12.2 R13.2 R14.2 R16.2 U1.6 U1.8 Y1.4
12v: C16.2 C17.2 C44.1 C45.1 IC2.1 IC2.2 IC2.3 J3.4 J3.5 J3.6 L3.2 R9.1
BiasOut: C54.2 FL1.1
BOOT0: IC1.60 J1.2 R4.2
DAC: C46.1 IC1.20 IC6.12 | length 3.8
  Top Layer w0.254: 129.108,132.283 C46.1 129.163,133.955 131.166,133.955 IC6.12
FLASH_QSPI_CS: IC1.16 IC5.1 R10.1
FLASH_QSPI_IO0: IC1.27 IC5.5
FLASH_QSPI_IO1: IC1.26 IC5.2
FLASH_QSPI_IO2: IC1.23 IC5.3
FLASH_QSPI_IO3: IC1.22 IC5.7
FLASH_QSPI_SCK: IC1.17 IC5.6
GND: C1.1 C2.1 C3.2 C5.2 C6.2 C7.2 C8.2 C9.2 C10.2 C11.2 C12.1 C13.1 C14.2 C15.1 C16.1 C17.1 C18.1 C19.1 C20.1 C21.2 C22.2 C23.1 C24.1 C25.1 C26.1 C27.1 C28.1 C29.1 C30.1 C31.1 C32.1 C33.1 C34.2 C35.2 C38.2 C39.2 C40.1 C41.1 C42.1 C43.1 C44.2 C45.2 C46.2 C49.1 C50.1 C51.1 C56.1 C57.2 FL1.5 IC1.12 IC1.18 IC1.31 IC1.47 IC1.63 IC2.11 IC3.2 IC3.7 IC3.8 IC3.11 IC3.12 IC3.17 IC3.18 IC3.19 IC3.21 IC4.10 IC4.11 IC4.17 IC5.4 IC6.1 IC6.3 IC6.7 IC6.9 IC6.13 IC7.2 IC7.4 IC8.5 J1.3 J2.6 J2.7 J2.8 J3.1 J3.2 J3.3 J4.2 J5.2 J5.5 L4.1 LED1.2 LED2.2 R3.2 R4.1 R7.2 R8.2 U1.18 U1.21 U2.2 U2.4 U2.7 Y1.2 Y3.2 Y3.4
  other v1: 162.225,128.659 163.495,128.659 164.765,128.659 163.495,129.713 163.495,130.767
  other v2: 151.931,122.22 153.031,122.22 151.931,123.32 153.031,123.32
GPIO_1: IC1.37 R15.2
HSE_IN: C11.1 IC1.5 Y3.3
HSE_OUT: C14.1 IC1.6 Y3.1
LNAIN: C55.2 IC7.1 | length 2.7
  Top Layer w0.175: C55.2@167.602,136.601 IC7.1@170.294,136.601 ; IC7.1@170.319,136.601 ccw(c170.319,136.627) IC7.1
Lnaout: C54.1 IC7.3 | length 2.8
  Top Layer w0.175: C54.1 170.168,133.629 ccw(c170.168,133.781) IC7.3@170.32,133.781
LSE_IN: C12.2 IC1.3 Y2.1
LSE_OUT: C13.2 IC1.4 Y2.2
NetC18_2: C18.2 C19.2 IC2.8 IC2.9 IC2.10 IC3.13 IC3.15 IC3.16
NetC21_1: C21.1 IC2.6
NetC22_1: C22.1 IC2.4
NetC23_2: C23.2 IC2.7 R9.2
NetC24_2: C24.2 IC3.14
NetC42_2: C42.2 C43.2 R11.1 U2.5
NetIC2_5: IC2.5 R8.1
NetLED1_1: LED1.1 R15.1 | length 0
  Top Layer w0.254: LED1.1 LED1.1@172.546,90.559
NetLED2_1: LED2.1 R16.1 | length 2.7
  Top Layer w0.175: LED2.1 114.465,121.7 114.777,121.388 R16.1@114.777,121.358
NRST: C15.2 IC1.7 J2.2
PA_IN: C5.1 C47.2 L2.2 L4.2
PA_IN_2: C47.1 C49.2 IC6.2
PAout: C48.2 C50.2 IC6.8 L3.1
RF1TX: C36.1 IC4.9 | length 4.3
  Top Layer w0.175: C36.1 150.085,145.02 ccw(c150.085,145.72) 150.785,145.72 IC4.9
RF2RX: C37.1 IC4.12 | length 4.4
  Top Layer w0.175: IC4.12 152.735,145.741 ccw(c153.455,145.741) 153.455,145.021 C37.1
RF_MATCH_C0: C4.2 L2.1
RF_Tx: C4.1 L1.2 U1.4
rfBIAS: C53.1 FL1.2
rfBIASXN: C52.2 C53.2 L6.2
RFRx_N: C52.1 L5.1 U1.3
RFRx_P: C56.2 L5.2 L6.1 U1.2
RS485_DE: IC1.40 IC8.3
RS485_RE: IC1.41 IC8.2
RS485_RX: IC1.43 IC8.1
RS485_TX: IC1.42 IC8.4
Si_GPIO0: IC1.59 U1.9
Si_GPIO1: IC1.58 U1.10
Si_GPIO2: IC1.44 U1.19
Si_GPIO3: IC1.45 U1.20
Si_NIRQ: IC1.56 U1.11
Si_NSEL: IC1.50 R1.2 U1.15
Si_SCLK: IC1.51 U1.12
Si_SDI: IC1.53 U1.14
Si_SDN: IC1.57 R3.1 U1.1
Si_SDO: IC1.52 R2.2 U1.13
SWCLK: IC1.49 J2.4 R5.2 R7.1
SWDIO: IC1.46 J2.5
SWDO: IC1.55 J2.3 R6.1
Switch_EN: C39.1 IC1.62 IC4.5
Switch_RX: C37.2 C55.1 | length 10.1
  Top Layer w0.175: C37.2 159.908,146.521 ; 159.989,136.597 159.989,136.601 C55.1
  Top Layer w0.18: 159.908,146.521 159.983,146.596
Switch_TX: C36.2 C48.1 | length 4.7
  Top Layer w0.175: 142.833,146.541 147.527,146.541 cw(c147.527,146.52) C36.2
Switch_VCTL: C38.1 IC1.38 IC4.2 | length 14.4
  Top Layer w0.254: IC4.2 152.085,151.094 153.06,152.07 ; 153.797,155.473 160.553,155.473 161.087,154.94 161.087,153.479 C38.1 164.135,153.467
Temp_Alert: IC1.33 R12.1 U2.3
Temp_SCL: IC1.29 R14.1 U2.1
Temp_SDA: IC1.35 R13.1 U2.6
UHF_IN_N: IC8.8 J5.4 R17.1
UHF_IN_P: IC8.9 J5.1 R17.2
UHF_OUT_N: IC8.6 J5.6 R18.1
UHF_OUT_P: IC8.7 J5.3 R18.2
VCAP: C33.2 IC1.30
XIN: U1.17 Y1.3
pads on no net: FL1.4 IC1.2 IC1.8 IC1.9 IC1.10 IC1.11 IC1.14 IC1.15 IC1.21 IC1.24 IC1.25 IC1.28 IC1.34 IC1.36 IC1.39 IC1.54 IC1.61 IC3.4 IC3.5 IC3.6 IC3.9 IC3.10 IC4.3 IC4.4 IC4.6 IC4.7 IC4.8 IC4.13 IC4.14 IC4.15 IC4.16 IC6.4 IC6.5 IC6.6 IC6.10 IC6.11 J3.7 J3.8 J4.1 J5.7 J5.8 U1.5 U1.7 U1.16 Y1.1
copper on no net: | length 1.9
  Top Layer w0.175: 151.435,150.106 151.435,152.035

## Polygon pours and split planes (outlines as drawn)
3v3 on Top Layer "3V3_L01_P026" (solid, remove dead copper, pour order 26): 147.157,124.9 148.79,124.9 150.61,124.9 150.939,124.571 150.939,123.941 150.939,122.982 150.51,122.553 148.861,122.553 148.261,121.953 138.712,121.953 138.356,122.309 138.356,123.859 138.889,124.392 146.649,124.392

## Other copper
Top Layer:
  pour cut-out: 116.9,108.7 117.3,109.1 118.1,109.1 118.1,108.1 117,108.1 116.9,108.2

## Silkscreen, mask and mechanical layers (free items; w line width, h text height)
Top Solder:
  lines w2.5: 107.445,74.832 107.445,166.029 137.462,166.1 152.289,166.1 187.455,166.1 187.455,143.19 187.455,97.534 187.455,74.705 107.572,74.705
Bottom Solder:
  lines w2.2: 107.445,74.832 107.445,166.018 128.654,166.018 187.455,166.018 187.455,143.19 187.455,97.534 187.455,74.705 107.572,74.705
Mechanical 1:
  circle w0.013: c184.272,162.997 r1.59
  circle w0.013: c108.712,77.267 r1.59
  circle w0.013: c110.612,162.997 r1.59
  circle w0.013: c186.172,77.267 r1.59
  lines w0.004: 106.442,74.677 ccw(c107.442,74.677) 107.442,73.677 187.442,73.677 ccw(c187.442,74.677) 188.442,74.677 188.442,166.087 ccw(c187.442,166.087) 187.442,167.087 107.442,167.087 ccw(c107.442,166.087) 106.442,166.087 106.442,74.677
Drill Drawing:
  circle w0.254: c49.313,197.618 r0.847
  lines w0.254: 48.466,190.845 50.159,190.845 49.313,189.152 48.466,190.845 ; 48.466,192.962 48.466,193.385 48.889,193.808 48.466,194.232 48.466,194.655 48.889,194.655 49.313,194.232 49.736,194.655 50.159,194.655 50.159,194.232 49.736,193.808 50.159,193.385 50.159,192.962 49.736,192.962 49.313,193.385 48.889,192.962 48.466,192.962 ; 48.466,201.005 48.889,201.005 49.313,200.582 49.736,201.005 50.159,201.005 49.736,201.428 50.159,201.852 49.736,201.852 49.313,202.275 48.889,201.852 48.466,201.852 48.889,201.428 48.466,201.005 ; 48.466,204.392 49.313,204.815 50.159,204.392 49.736,205.238 50.159,206.085 49.313,205.662 48.466,206.085 48.889,205.238 48.466,204.392
  lines w0.381: 46.947,188.009 315.453,188.009 ; 46.947,207.059 315.453,207.059 ; 60.94,184.199 60.94,210.869 ; 74.652,184.199 74.652,210.869 ; 102.33,184.199 102.33,210.869 ; 115.179,184.199 115.179,210.869 ; 133.818,184.199 133.818,210.869 ; 171.906,184.199 171.906,210.869 ; 186.889,184.199 186.889,210.869 ; 205.832,184.199 205.832,210.869 ; 224.877,184.199 224.877,210.869 ; 246.562,184.199 246.562,210.869 ; 280.436,184.199 280.436,210.869 ; 46.947,184.199 315.453,184.199 315.453,210.869 46.947,210.869 46.947,184.199
  text "Symbol" at 49.233,208.202 h1.83
  text "Count" at 62.083,208.202 h1.83
  text "Hole Size" at 75.795,208.202 h1.83
  text "Plated" at 103.473,208.202 h1.83
  text "Hole Type" at 116.322,208.202 h1.83
  text "Drill Layer Pair" at 134.961,208.202 h1.83
  text "Via/Pad" at 173.049,208.202 h1.83
  text "Pad Shape" at 188.032,208.202 h1.83
  text "Template" at 206.975,208.202 h1.83
  text "Description" at 226.02,208.202 h1.83
  text "Hole Tolerance (+)" at 247.705,208.202 h1.83
  text "Hole Tolerance (-)" at 281.579,208.202 h1.83
  text "3" at 62.083,204.392 h1.52
  text "1.000mm (39.37mil)" at 75.795,204.392 h1.52
  text "PTH" at 103.473,204.392 h1.52
  text "Round" at 116.322,204.392 h1.52
  text "Top Layer - Bottom Layer" at 134.961,204.392 h1.52
  text "Pad" at 173.049,204.392 h1.52
  text "Rounded" at 188.032,204.392 h1.52
  text "c152h100" at 206.975,204.392 h1.52
  text "4" at 62.083,200.582 h1.52
  text "0.200mm (7.87mil)" at 75.795,200.582 h1.52
  text "PTH" at 103.473,200.582 h1.52
  text "Round" at 116.322,200.582 h1.52
  text "Top Layer - Bottom Layer" at 134.961,200.582 h1.52
  text "Via" at 173.049,200.582 h1.52
  text "Rounded" at 188.032,200.582 h1.52
  text "v50h20m0mx0" at 206.975,200.582 h1.52
  text "4" at 62.083,196.772 h1.52
  text "2.200mm (86.61mil)" at 75.795,196.772 h1.52
  text "NPTH" at 103.473,196.772 h1.52
  text "Round" at 116.322,196.772 h1.52
  text "Top Layer - Bottom Layer" at 134.961,196.772 h1.52
  text "Pad" at 173.049,196.772 h1.52
  text "Rounded" at 188.032,196.772 h1.52
  text "c110hn220" at 206.975,196.772 h1.52
  text "5" at 62.083,192.962 h1.52
  text "0.330mm (12.99mil)" at 75.795,192.962 h1.52
  text "PTH" at 103.473,192.962 h1.52
  text "Round" at 116.322,192.962 h1.52
  text "Top Layer - Bottom Layer" at 134.961,192.962 h1.52
  text "Via" at 173.049,192.962 h1.52
  text "Rounded" at 188.032,192.962 h1.52
  text "v63h33m0mx0" at 206.975,192.962 h1.52
  text "12" at 62.083,189.152 h1.52
  text "0.550mm (21.65mil)" at 75.795,189.152 h1.52
  text "PTH" at 103.473,189.152 h1.52
  text "Round" at 116.322,189.152 h1.52
  text "Top Layer - Bottom Layer" at 134.961,189.152 h1.52
  text "Pad" at 173.049,189.152 h1.52
  text "(Mixed)" at 188.032,189.152 h1.52
  text "(Mixed)" at 206.975,189.152 h1.52
  text "28 Total" at 62.083,185.342 h1.52

## Text inside footprints (layer, text, board x,y; h text height)
J4: Mechanical 13 "PCB EDGE" at 146.126,166.096 h0.3 r180